# KiCad board oresat-batteries.kicad_pcb (continued)
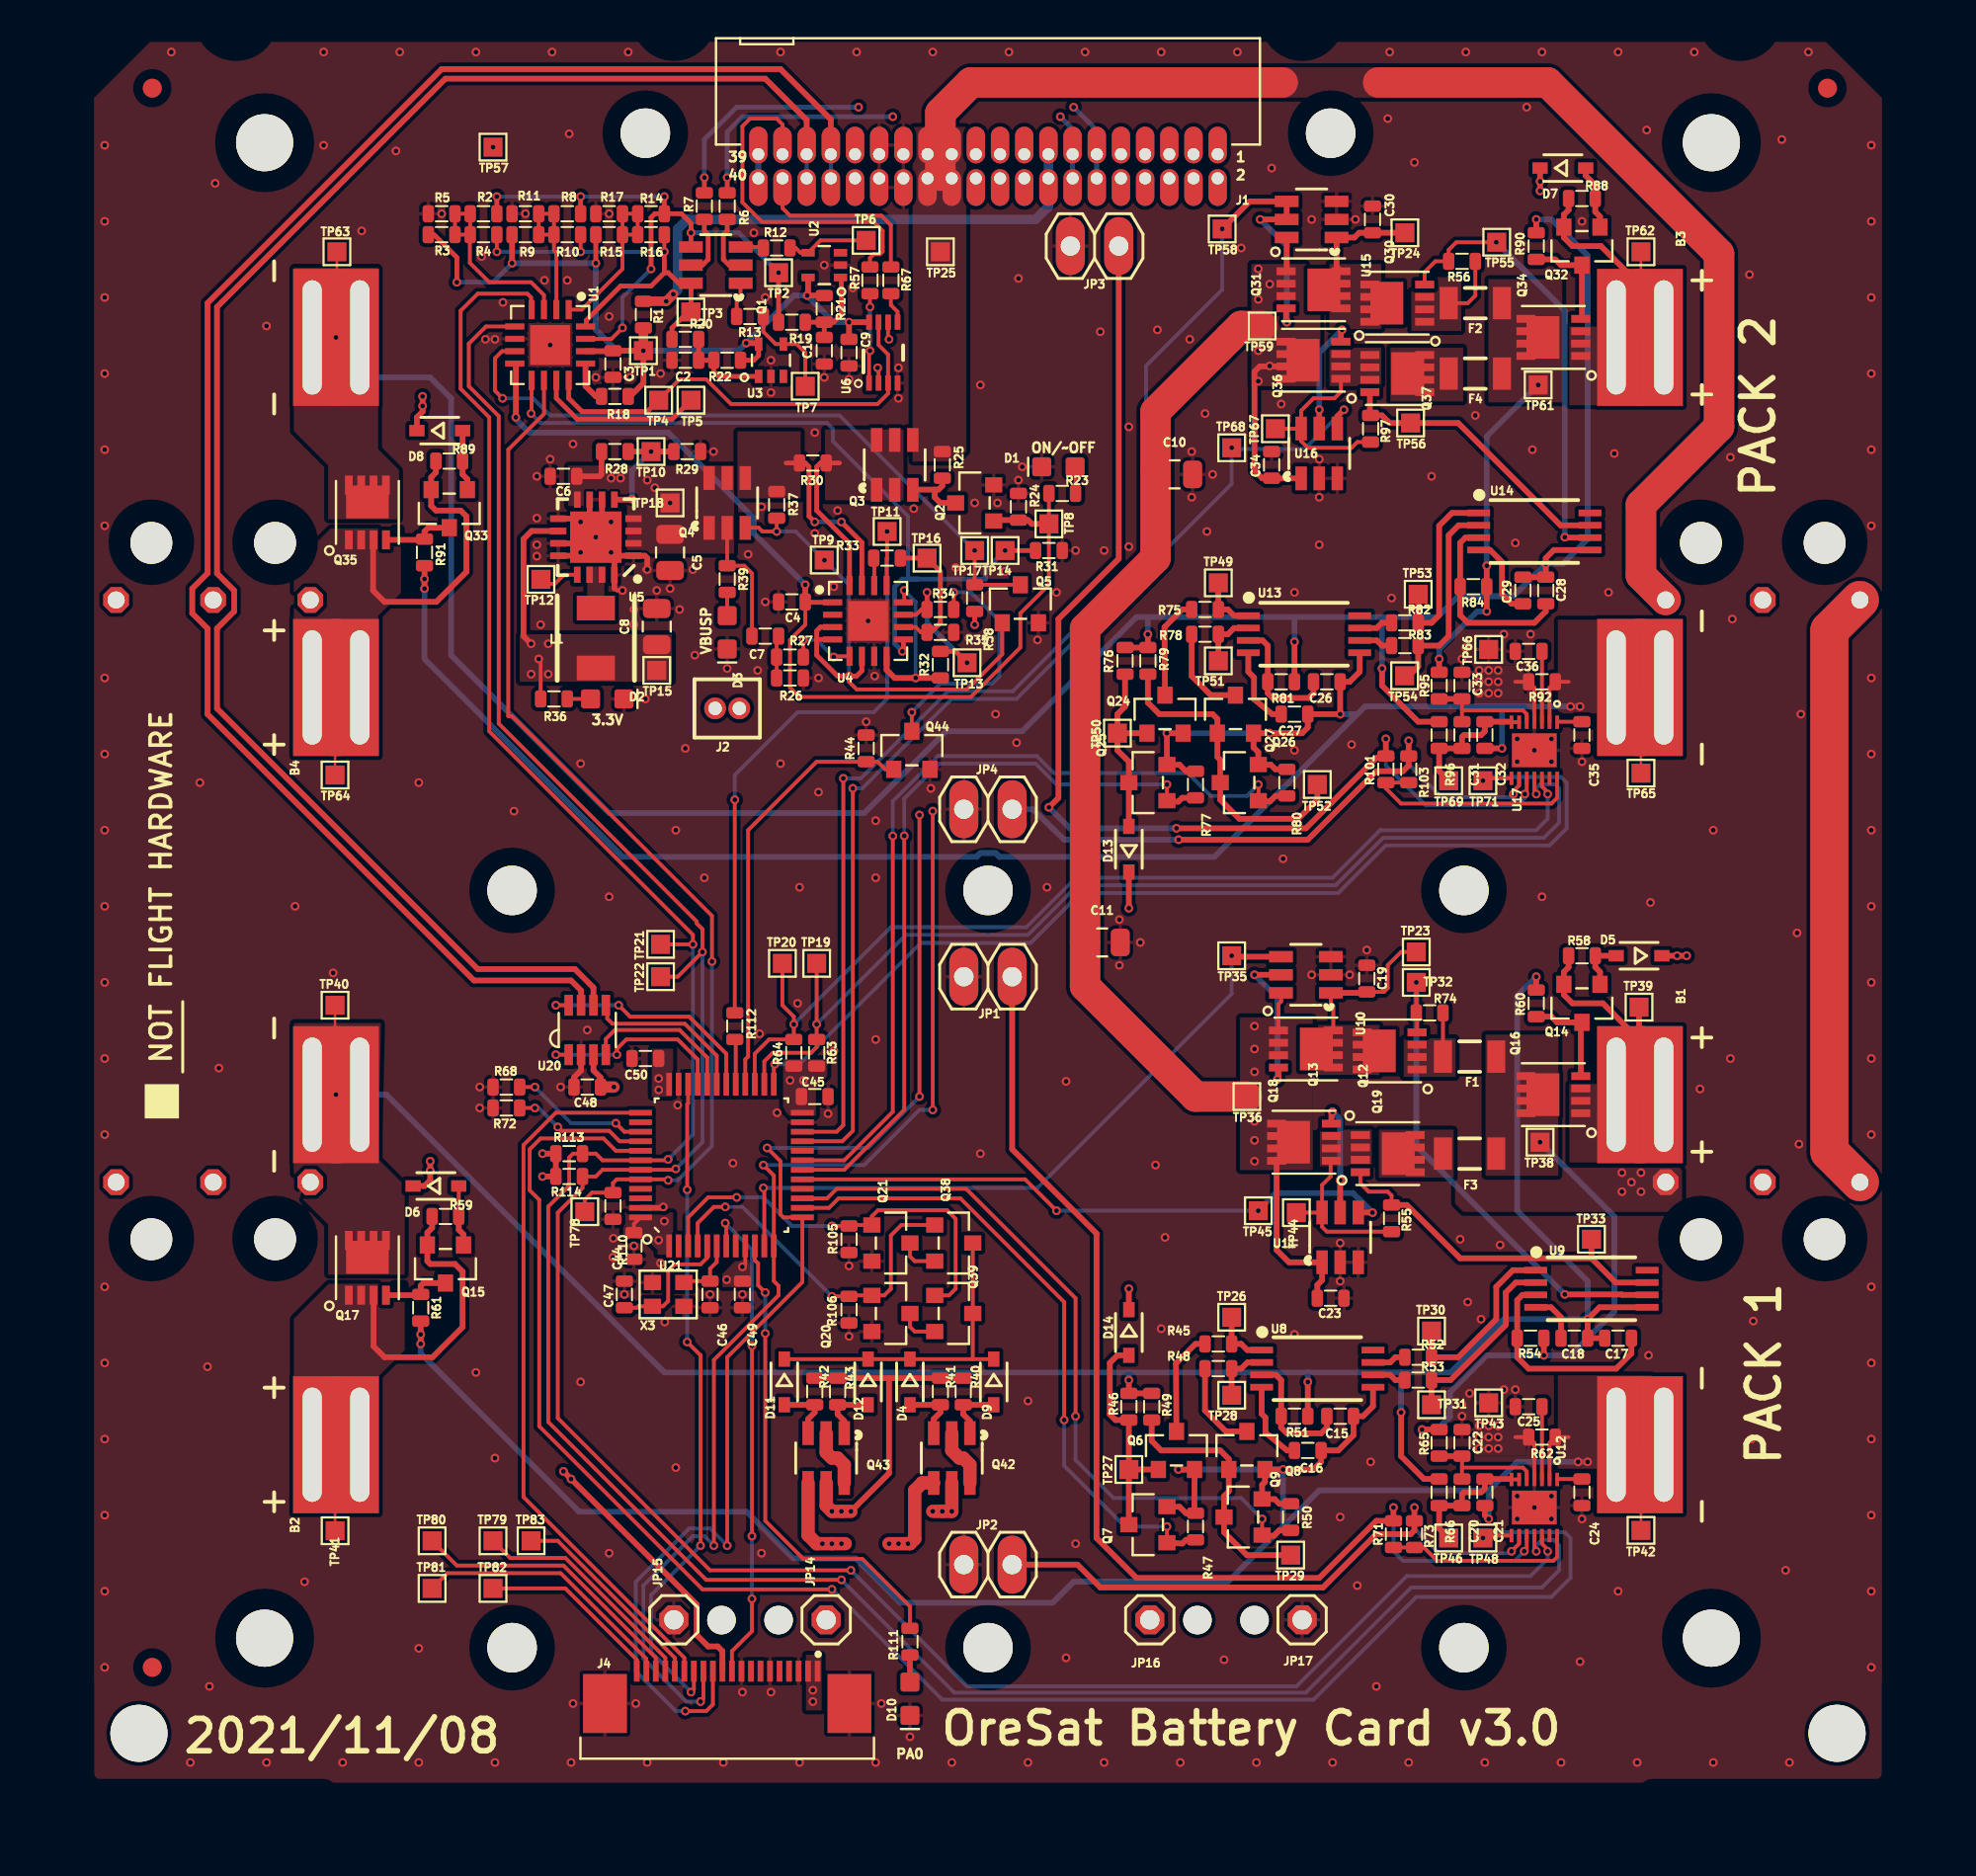
[diagram p0: board, top side]
## Routing (per net, layer and track width the routed paths; a pad name or vN(x,y) marks a point on that pad's centre or on a via; arc(x,y) is an arc through that point) (continued)
DISCHARGE-DISABLE-PK1: length 39
  Top w0.2: Q9.1 v1(64.3,16.77) ; U21.15 41.45,33.62 41.95,34.12 48.75,34.12 54.5,28.37 v1(54.5,22.17)
  Top w0.3: R50.2 65.2,16.17 64.91,15.88 Q9.1
  Bottom w0.2: v1(64.3,16.77) 63.2,17.87 56.5,17.87 54.5,19.87 v1(54.5,22.17)
DISCHARGE-DISABLE-PK2: length 45.9
  Top w0.2: U21.19 42.35,35.62 44.9,38.17 v1(44.9,52.66) ; v1(64.1,55.37) 64.12,55.35 Q27.1
  Top w0.3: Q27.1 64.71,54.48 65,54.77 R80.2
  Bottom w0.2: v1(44.9,52.66) 44.9,54.49 47.27,56.87 52.46,56.87 53.36,55.97 60.4,55.97 61.6,54.77 63.5,54.77 v1(64.1,55.37)
I2C2_SCL: length 56.4
  Top w0.2: U21.26 38.15,40.82 38.6,41.27 40.6,41.27 40.9,41.57 R63.1 v1(40.9,42.77) TP19.1 ; U17.11 78.6,55.07 78.7,54.97 v1(78.7,54.87)
  Bottom w0.2: v1(78.7,54.87) 78.7,55.17 78.9,55.37 79.7,55.37 79.9,55.17 79.9,53.37 79.1,52.57 70.66,52.57 68.16,50.07 54.6,50.07 52,47.47 45.6,47.47 v1(40.9,42.77)
I2C2_SDA: length 54.5
  Top w0.2: U21.27 37.65,41.22 38.4,41.97 R64.1 v1(39.7,42.77) 39.7,43.17 39.1,43.77 TP20.1 ; v1(79.3,54.87) 79.3,54.97 79,55.27 U17.12
  Bottom w0.2: v1(39.7,42.77) 44.8,47.87 51.92,47.87 54.52,50.47 68,50.47 70.5,52.97 78.7,52.97 79.3,53.57 v1(79.3,54.87)
MOARPWR: length 22.7
  Top w0.2: Q44.1 44.5,56.17 44.1,56.57 R44.2 40.9,56.57 37.3,52.97 37.3,41.07 37.15,40.92 U21.28
OPD_PWR: length 28.5
  Top w0.5: v1(33.37,81.14) 33.37,81.14 v1(33,80.77) R1.1
  Bottom w0.5: v1(33,80.77) 33.59,81.36 33.59,84.56 34.1,85.07 52.4,85.07 53.07,85.74 J1.16 J1.15
OPD_SCL: length 24.5
  Top w0.25: R6.1 v1(36.2,87.27)
  In2.Cu w0.25: v1(53.7,90.47) v1(44.9,90.47)
  Bottom w0.25: v1(36.2,87.27) 36.2,89.67 37,90.47 v1(44.9,90.47) ; J1.14 J1.13 54.34,89.82 v1(53.7,90.47)
OPD_SDA: length 27.1
  Top w0.25: R7.1 v1(35,87.27)
  In2.Cu w0.25: v1(54.4,90.97) v1(43.1,90.97)
  Bottom w0.25: v1(43.1,90.97) 36.7,90.97 35,89.27 v1(35,87.27) ; v1(54.4,90.97) 55.61,89.75 J1.11 J1.12
PA2/USART2_TX: length 91.3
  Top w0.2: v1(44.7,78.77) 44.65,78.82 U6.6 ; v1(35.5,15.37) 35.5,25.12 38.9,28.52 38.9,29.02 38.65,29.27 U21.12 38.65,34.82 v1(38.1,35.37) ; v1(34.8,7.17) 34.95,7.32 J4.13 ; v1(47,38.27) v1(47,53.97)
  In2.Cu w0.2: v1(44.7,78.77) 46.5,76.97 46.5,70.77 48,69.27 48,67.67 49,66.67 49,65.53 50.23,64.3 50.23,60.63 47.5,57.9 47.5,54.97 47,54.47 v1(47,53.97)
  Bottom w0.2: v1(47,38.27) 46.3,38.27 43.4,35.37 v1(38.1,35.37) ; v1(35.5,15.37) 35,15.87 34.4,15.87 31.8,13.27 31.8,9.42 34.05,7.17 v1(34.8,7.17)
PA3/USART2_RX: length 94.7
  Top w0.2: v1(36.2,15.37) 36.2,25.27 40.15,29.22 U21.13 39.15,32.62 39,32.77 39,35.57 v1(38.3,36.27) ; v1(44.1,77.27) 44.1,77.27 44.15,77.22 U6.2 ; v1(46.3,38.97) v1(46.3,53.77) ; v1(34,6.67) 35.1,6.67 35.45,7.02 J4.12
  In2.Cu w0.2: v1(46.3,53.77) 46.3,57.37 49.8,60.87 49.8,64.07 49.5,64.37 48.3,64.37 47.6,65.07 47.6,69.11 46.1,70.61 46.1,75.57 44.4,77.27 v1(44.1,77.27)
  Bottom w0.2: v1(38.3,36.27) 43.6,36.27 v1(46.3,38.97) ; v1(36.2,15.37) 35.3,16.27 34.2,16.27 31.4,13.47 31.4,8.77 33.5,6.67 v1(34,6.67)
PB6/SCL: length 142.1
  Top w0.2: TP21.1 v1(34.4,46.97) 34.4,47.47 23.7,58.17 23.7,74.67 22.2,76.17 22.2,80.27 23.1,81.17 25.7,81.17 25.9,80.97 25.9,80.33 U1.4 ; v1(78.7,15.07) 78.6,15.17 U12.11 ; v1(33.1,35.67) 33.05,35.62 U21.42 29.65,35.62 29.3,35.97 R113.1 28.1,35.97 27.9,35.77 27.9,34.28 26.8,33.18 26.8,21.87 35.1,13.57 v1(42.2,13.57)
  Bottom w0.2: v1(42.2,13.57) 48.13,7.64 66.6,7.64 72.13,13.17 79,13.17 79.9,14.07 79.9,15.37 79.6,15.67 79,15.67 78.7,15.37 v1(78.7,15.07) ; v1(34.4,46.97) 34.4,36.97 v1(33.1,35.67)
PB7/SDA: length 134.8
  Top w0.2: U1.5 23.53,79.44 22.63,78.54 22.63,76.3 24.2,74.73 24.2,58.57 34.6,48.17 34.6,48.07 34.9,47.77 v1(34.9,46.57) 33.6,45.27 TP22.1 ; v1(33.5,35.17) 33.45,35.12 U21.43 29.65,35.12 29.3,34.77 R114.1 28.6,34.17 27.3,32.87 27.3,22.07 35.3,14.07 v1(42.7,14.07) ; U12.12 79,15.47 79.3,15.17 v1(79.3,15.07)
  Bottom w0.2: v1(42.7,14.07) 48.8,7.97 66.1,7.97 71.9,13.77 78.4,13.77 79.3,14.67 v1(79.3,15.07) ; v1(34.9,46.57) 34.9,36.57 v1(33.5,35.17)
POUT: length 33.8
  Top w0.2: v1(44.6,68.67) 44.6,67.27 44.57,67.24 U4.13 ; R112.1 v1(36.6,54.57)
  Bottom w0.2: v1(36.6,54.57) 36.6,55.87 39.9,59.17 43.9,59.17 44.6,59.87 v1(44.6,68.67)
VPD: length 85.8
  Top w0.2: R3.2 20.8,84.27
  Top w0.25: 40.45,81.12 v1(40.4,81.07) ; v1(49.2,63.77) R38.2 ; v1(22,81.77) 22,83.07 20.8,84.27 ; 37.8,78.57 U3.5 37.85,77.92 37.6,77.67 R22.2 ; v1(29.3,82.77) R15.2 ; 30.17,78.14 C3.2
  Top w0.3: R18.2 31.1,75.77 31.8,76.47 TP1.1 v1(31.79,78.17) C3.2 ; C9.2 v1(42.6,79.67) U6.8 ; R21.2 v1(40.4,81.07) ; 37.8,78.57 v1(37.2,78.57) ; R9.2 v1(24.9,82.77) ; U2.5 40.45,81.12 ; U1.14 30.17,78.14
  Top w0.5: R1.2 TP1.1
  In2.Cu w0.5: 42.9,65.86 41.01,63.97 37.7,63.97 36.83,63.1 J2.2 ; 42.9,65.86 42.9,73.62 41.26,75.27 36.6,75.27 33.7,78.17 TP1.1 ; 42.9,65.86 45,63.77 v1(49.2,63.77)
  Bottom w0.25: v1(24.9,82.77) 23.9,81.77 v1(22,81.77)
  Bottom w0.3: v1(42.6,79.67) 41.8,79.67 v1(40.4,81.07) 39.7,81.07 v1(37.2,78.57) 36.8,78.17 TP1.1 ; v1(24.9,82.77) v1(29.3,82.77) 29.3,79.27 30.4,78.17 v1(31.79,78.17)
~{SD}: length 303.8
  Top w0.3: D14.C v1(57.3,28.87) ; D8.C 19.9,74.67 20.2,74.97 v1(20.2,75.77) ; D6.C 20.3,34.27 20.6,34.57 v1(20.6,35.07) v1(20.6,35.57) ; D5.C v1(86.1,46.37) v1(86.6,46.37) ; D7.C v1(78.9,87.07) v1(78.9,86.57) ; v1(57.3,48.87) D13.C
  In2.Cu w0.3: 87.9,46.37 87.9,34.77 85.9,32.77 74.4,32.77 69,27.37 66.1,27.37 64.6,28.87 v1(57.3,28.87) ; 87.9,46.37 v1(86.1,46.37) 74.4,46.37 71.9,48.87 v1(57.3,48.87) ; 87.9,46.37 88.5,46.37 90.9,48.77 90.9,63.07 92.1,64.27 92.1,65.67 90.9,66.87 90.9,82.47 81.1,92.27 78.9,92.27 ; v1(78.9,86.57) v1(78.9,87.07) 78.9,92.27 ; 24,87.37 23.9,87.47 v1(23.9,88.87) ; 24,87.37 34.1,87.37 35.23,88.5 J1.39 ; 24,87.37 20.2,87.37 ; 20.6,36.17 19.11,36.17 16.61,33.67 16.2,33.27 13.7,33.27 12.5,34.47 SW2.NO ; 20.6,36.17 20.6,44.27 9.2,55.67 9.2,63.37 10.3,64.47 10.3,65.07 ; 20.6,36.17 v1(20.6,35.07) ; J1.39 37.83,89.9 40.2,92.27 78.9,92.27 ; J1.39 J1.40 ; 10.3,65.07 SW1.NO ; 10.3,65.07 10.3,65.57 9.2,66.67 9.2,79.77 16.8,87.37 20.2,87.37 ; 20.2,87.37 v1(20.2,75.77) v1(20.2,75.27)
  Bottom w0.3: J1.39 J1.40
Net-(B1-PadPOS-T): length 11.6
  Top w0.127: 84.15,41.97 84.1,41.97 84.1,42.37
  Top w0.3: R58.2 80.4,45.77 80.15,45.52 Q14.2 80.15,44.32 80.6,43.87 82.2,43.87 83.7,42.37 84.1,42.37 TP39.1 ; 84.15,39.07 84.15,41.97
Net-(B2-PadPOS-T): length 20.2
  Top w0.127: 15.6,20.72 15.6,16.27
  Top w0.2: 15.65,20.67 15.6,20.72
  Top w0.3: Q17.3 17.62,25.84 18.2,25.27 20.72,25.27 22.3,26.85 22.3,29.77 21.9,30.17 20.6,30.17 20.45,30.32 Q15.2 20.45,31.82 20.7,32.07 R59.1
Net-(B3-PadPOS-T): length 11.6
  Top w0.127: 84.15,78.87 84.2,78.92 TP62.1
  Top w0.3: 84.1,81.67 82.1,83.67 80.6,83.67 80.15,84.12 Q32.2 80.15,85.32 80.4,85.57 R88.2
Net-(B4-PadPOS-T): length 20.5
  Top w0.127: TP64.1 15.6,60.42 15.65,60.47
  Top w0.3: Q35.3 17.6,68.2 17.6,65.57 18.2,64.97 20.92,64.97 22.5,66.55 22.5,69.47 22.2,69.77 20.9,69.77 20.65,70.02 Q33.2 20.65,71.52 20.9,71.77 R89.1
Net-(C1-Pad1): length 4.8
  Top w0.25: R21.1 R19.1 ; R21.1 41.8,79.67 42.2,80.07 42.2,81.97 U2.1 ; R21.1 C1.1
Net-(C2-Pad1): length 5
  Top w0.25: R20.1 C2.1 R22.1 35.5,77.07 35.75,76.82 U3.1
Net-(C7-Pad1): length 2.2
  Top w0.2: C7.1 38.8,63.07 R27.2 R26.2
Net-(C15-Pad1): length 6.9
  Top w0.3: C15.1 67.7,21.57 67.4,21.27 65.6,21.27 65.3,21.57 R51.1 65.3,24.07 65.02,24.34 U8.3
Net-(C16-Pad1): length 4.3
  Top w0.3: C16.1 65.61,20.37 64.47,21.3 64.47,22.09 64.27,22.29 U8.4
Net-(C17-Pad1): length 11.5
  Top w0.3: C17.1 83.7,25.47 82.9,24.67 78.3,24.67 77.7,25.27 R54.2 77.7,28.27 77.97,28.54 U9.3
Net-(C18-Pad1): length 2.6
  Top w0.3: C18.1 80,27.37 79.47,27.89 U9.4
Net-(C19-Pad1): length 8.2
  Top w0.2: C19.1 70.7,44.47 70.9,44.67 70.9,45.87 71.6,46.57 72.5,46.57 ; U10.1 67.91,43.86 68.04,43.73 Q13.5
  Top w0.3: C19.1 69.75,44.42 U10.1
Net-(C20-Pad1): length 6.3
  Top w0.2: 74.8,19.47 78,19.47 78.2,19.27 U12.5 ; 74.8,19.47 C20.1 ; 74.8,19.47 C22.1
  Top w0.3: 74.8,19.97 74.7,20.07 R65.1
Net-(C20-Pad2): length 7.3
  Top w0.2: U12.6 U12.7 77.37,18.87
  Top w0.3: TP46.1 73.6,16.27 R66.2 C20.2 74.8,18.07 74.9,18.17 75.8,18.17 76,18.37 C21.1 77.37,18.87
Net-(C24-Pad1): length 1.3
  Top w0.2: U12.1 79.82,18.87 C24.1
Net-(C25-Pad1): length 3.8
  Top w0.2: C25.1 U12.3
Net-(C26-Pad1): length 6.8
  Top w0.3: C26.1 67,60.17 66.75,59.92 64.85,59.92 64.6,60.17 R81.1 64.6,62.67 64.32,62.94 U13.3
Net-(C27-Pad1): length 4.3
  Top w0.3: U13.4 63.57,61.29 63.87,60.99 63.87,59.85 64.83,59.07 C27.1
Net-(C28-Pad1): length 10.2
  Top w0.3: U14.3 74.97,68.34 74.7,68.07 R84.2 74.7,64.27 75.1,63.87 78.6,63.87 79.2,64.47 C28.1
Net-(C29-Pad1): length 4.5
  Top w0.3: C29.1 77.4,64.87 76.9,65.37 76.9,67.07 76.27,67.69 U14.4
Net-(C30-Pad1): length 5.6
  Top w0.3: TP24.1 C30.1 69.4,84.37 69.15,84.12 U15.1 68.21,82.57 Q31.5
Net-(C31-Pad1): length 6.3
  Top w0.2: C33.1 74.8,59.27 ; 74.8,59.27 C31.1 ; 74.8,59.27 78,59.27 78.2,59.07 U17.5
  Top w0.3: 74.8,59.77 74.7,59.87 R95.1
Net-(C31-Pad2): length 7.3
  Top w0.2: U17.6 U17.7 77.37,58.67
  Top w0.3: TP69.1 73.6,56.07 R96.2 C31.2 74.8,57.87 74.9,57.97 75.8,57.97 76,58.17 C32.1 77.37,58.67
Net-(C35-Pad1): length 1.3
  Top w0.2: C35.1 79.82,58.67 U17.1
Net-(C36-Pad1): length 3.7
  Top w0.2: C36.1 U17.3
Net-(C46-Pad1): length 3.4
  Top w0.2: U21.6 35.65,30.27 35.3,29.92 C46.1 34,29.27 X3.3
Net-(C47-Pad1): length 7
  Top w0.2: U21.5 35.15,30.5 34.8,30.15 33.43,30.15 33.1,29.82 33.1,28.22 32.82,27.94 X3.1 31.52,27.94 31.45,27.87 C47.1
Net-(D1-PadA): length 1.4
  Top w0.2: R23.1 54.5,72.04 D1.A
Net-(D2-PadA): length 1.2
  Top w0.2: D2.A R36.1
Net-(D3-PadA): length 1.2
  Top w0.2: D3.A R39.1
Net-(D4-PadA): length 3.2
  Top w0.3: D4.A R41.2 47.4,22.37 47.05,22.02 47.05,21.27
Net-(D5-PadA): length 2.7
  Top w0.3: D5.A R58.1 81.8,45.77 82.05,45.52 Q14.1
Net-(D6-PadA): length 3.2
  Top w0.2: R59.2 D6.A
  Top w0.3: R59.2 22.1,31.97 22.35,31.72 Q15.1
Net-(D7-PadA): length 3.4
  Top w0.3: Q32.1 82.05,85.22 81.8,85.47 R88.1 81.8,86.87 81.3,87.37 D7.A
Net-(D8-PadA): length 3.2
  Top w0.3: Q33.1 22.55,71.42 22.3,71.67 R89.2 D8.A
Net-(D9-PadA): length 3.2
  Top w0.3: D9.A R40.2 48.6,22.27 48.95,21.92 48.95,21.27
Net-(D10-PadA): length 1.4
  Top w0.3: R111.1 D10.A
Net-(D11-PadA): length 3.2
  Top w0.3: 40.45,21.27 40.45,22.02 40.8,22.37 R42.2 D11.A
Net-(D11-PadC): length 17.1
  Top w0.2: 49.1,25.17 D4.C D12.C D11.C ; 49.1,25.17 Q39.3 Q38.3 ; 49.1,25.17 D9.C
Net-(D12-PadA): length 3.2
  Top w0.3: 42.35,21.27 42.35,21.92 42,22.27 R43.2 D12.A
Net-(D13-PadA): length 10
  Top w0.3: TP50.1 56.7,59.07 57.1,59.47 R76.1 ; TP50.1 Q24.1 ; TP50.1 56.7,57.17 57.3,56.57 Q25.3 D13.A
Net-(D14-PadA): length 12
  Top w0.3: TP27.1 Q6.1 ; TP27.1 R46.1 56.6,21.97 56.3,22.27 56.3,24.97 56.7,25.37 D14.A ; TP27.1 Q7.3
Net-(F1-Pad1): length 2.3
  Top w0.2: R74.1 F1.1
Net-(F2-Pad1): length 3.4
  Top w0.2: R56.2 75.5,81.07 75.1,80.67 F2.1
Net-(J4-Pad16): length 10.8
  Top w0.2: TP83.1 27.3,15.62 33.45,9.47 J4.16
Net-(J4-Pad17): length 12.3
  Top w0.2: TP79.1 24.8,14.72 27.7,14.72 32.95,9.47 J4.17
Net-(J4-Pad18): length 15
  Top w0.2: TP80.1 22,14.32 27.6,14.32 32.45,9.47 J4.18
Net-(J4-Pad19): length 14.1
  Top w0.2: J4.19 31.95,9.42 27.45,13.92 21.5,13.92 TP81.1
Net-(J4-Pad20): length 9.7
  Top w0.2: TP82.1 27.7,13.12 31.45,9.37 J4.20
Net-(JP1-Pad1): length 60.3
  Top w0.2: U12.10 78.2,15.07 78.13,15 v1(78.07,15.07)
  Top w0.3: v1(71.2,17.37) R71.1 70.3,16.67 67.3,13.67 57.7,13.67 55.6,15.77 55.6,31.77 51.17,36.2 JP1.1
  Bottom w0.2: v1(78.07,15.07) 77.56,14.57 71.7,14.57 71.2,15.07 v1(71.2,17.37)
Net-(JP2-Pad1): length 31.8
  Top w0.2: U12.9 77.8,15.47 v1(77.4,15.07)
  Top w0.3: JP2.1 54.6,14.37 55.8,13.17 67.5,13.17 70.3,15.97 72.1,15.97 72.3,16.17 R73.1 v1(72.3,17.37)
  Bottom w0.2: v1(72.3,17.37) 72.3,16.27 73.6,14.97 77.3,14.97 v1(77.4,15.07)
Net-(JP3-Pad1): length 63.1
  Top w0.2: v1(78.1,54.87) 78.2,54.97 U17.10
  Top w0.3: v1(53.1,54.17) 53.6,54.67 53.6,64.07 56.77,67.24 JP3.1 ; v1(70.8,57.77) R101.1 71,56.87 71.1,56.77 70.3,56.77 66.6,53.07 v1(59.8,53.07)
  Bottom w0.2: v1(78.1,54.87) 78.1,54.67 77.7,54.27 72.9,54.27 70.8,56.37 v1(70.8,57.77)
  Bottom w0.3: v1(53.1,54.17) 54.2,53.07 v1(59.8,53.07)
Net-(JP4-Pad1): length 32.9
  Top w0.2: U17.9 77.8,55.32 77.5,55.02 v1(77.5,54.87)
  Top w0.3: v1(72,57.67) R103.1 72,56.37 71.7,56.07 70.3,56.07 66.7,52.47 v1(59.91,52.47)
  Bottom w0.2: v1(72,57.67) 72,56.43 73.73,54.69 77.33,54.69 v1(77.5,54.87)
  Bottom w0.3: JP4.1 52.25,54.07 53.91,52.47 v1(59.91,52.47)
Net-(JP14-Pad1): length 40.9
  Top w0.2: v1(42.2,15.47) v1(41.7,15.47) v1(41.2,15.47) ; v1(45.7,15.47) v1(44.7,15.47) v1(45.2,15.47)
  Top w0.7: 40.45,18.67 40.45,15.92 40.9,15.47 v1(41.7,15.47) 42.4,15.47 ; 47.05,18.67 46.45,18.67 46.05,18.27 46.05,15.72 45.8,15.47 v1(44.7,15.47)
  In2.Cu w1: v1(41.2,15.47) 43.9,15.47 44,15.37 ; JP14.1 44,11.47 44,11.57 ; 44,11.57 47.49,8.07 51.4,8.07 54.79,11.47 JP16.1 ; 44,11.57 44,15.37 ; 44,15.37 44,15.47 v1(45.7,15.47)
Net-(Q1-Pad1): length 1.8
  Top w0.2: 36.9,81.72 36.9,81.07 36.7,80.87 R13.2
Net-(Q1-Pad2): length 3.2
  Top w0.25: 36.9,82.67 36.3,82.67 36,82.97 36,84.27 36.2,84.47 R6.2
Net-(Q1-Pad3): length 1.2
  Top w0.2: 36.9,83.62 38.05,83.62 R12.2
Net-(Q1-Pad5): length 3.2
  Top w0.25: R7.2 35,84.47 35.2,84.27 35.2,82.97 34.9,82.67 34.3,82.67
Net-(Q2-Pad3): length 3.7
  Top w0.3: Q2.3 47.4,70.17 47.1,70.47 47.1,70.87 ; 47.1,70.87 45.95,70.87 ; 47.1,70.87 47.3,70.87 47.5,71.07 R25.1
Net-(Q3-Pad1): length 8.2
  Top w0.25: U4.16 42.62,68.04 40.9,69.77 40.9,72.07 41.1,72.27 42.1,72.27
Net-(Q4-Pad4): length 9.5
  Top w0.25: v1(42.2,69.17) 43.27,68.09 U4.15 ; 39.3,72.27 40.3,72.27 40.5,72.07 40.5,69.47 v1(40.8,69.17)
  Bottom w0.25: v1(42.2,69.17) v1(40.8,69.17)
Net-(Q6-Pad3): length 5.5
  Top w0.3: R45.1 60.8,25.97 59.77,24.94 Q6.3
Net-(Q8-Pad1): length 13.5
  Top w0.3: TP29.1 63.5,14.87 62.3,16.07 Q9.3 62.3,17.97 62.55,18.22 Q8.1 62.55,19.92 62.1,20.37 59,20.37 58.5,20.87 R49.2
Net-(Q8-Pad3): length 4.9
  Top w0.3: R48.1 61.3,22.47 62.4,21.37 Q8.3
Net-(Q13-Pad4): length 8
  Top w0.3: v1(65.1,39.87) 65.16,39.93 Q13.4 ; v1(63.9,45.37) U10.5
  Bottom w0.3: v1(65.1,39.87) 65.1,44.17 v1(63.9,45.37)
Net-(Q14-Pad3): length 5.4
  Top w0.3: R60.1 79.5,43.17 79.8,42.87 Q14.3 81.04,42.81 Q16.4
Net-(Q15-Pad3): length 3.7
  Top w0.3: Q15.3 20.24,29.17 20.1,29.03 R61.1 20.1,28.53 Q17.4
Net-(Q18-Pad1): length 8.8
  Top w0.2: TP44.1 67.44,32.87 ; R55.2 67.7,31.87 67.45,32.12 U11.6 67.45,34.32 67.9,34.77 67.9,35.55 Q18.1
  Top w0.3: 67.44,32.87 U11.6
Net-(Q18-Pad4): length 6.1
  Top w0.3: v1(68.4,34.57) U11.5 ; v1(68,38.17) 67.94,38.11 Q18.4
  Bottom w0.3: v1(68,38.17) 68.4,37.77 v1(68.4,34.57)
Net-(Q20-Pad3): length 2.1
  Top w0.2: Q20.3 45.8,26.87 46.05,26.62 Q39.2
Net-(Q21-Pad3): length 2.1
  Top w0.2: Q38.2 46.05,30.32 45.8,30.57 Q21.3
Net-(Q24-Pad3): length 5.4
  Top w0.3: Q24.3 59.17,63.64 60.1,64.57 R75.1
Net-(Q26-Pad1): length 16.5
  Top w0.3: TP52.1 67.2,54.57 66.2,53.57 63.1,53.57 62.1,54.57 Q27.3 62.1,56.67 61.95,56.82 Q26.1 61.95,58.82 61.7,59.07 58.9,59.07 58.3,59.67 R79.2
Net-(Q26-Pad3): length 4.9
  Top w0.3: Q26.3 61.6,60.07 60.6,61.07 R78.1
Net-(Q32-Pad3): length 5.4
  Top w0.3: R90.1 79.7,82.97 80,82.67 Q32.3 81.1,79.9 Q34.4
Net-(Q33-Pad3): length 3.8
  Top w0.3: Q35.4 20.3,68.23 R91.1 20.3,68.67 20.5,68.87 Q33.3
Net-(Q36-Pad1): length 10.1
  Top w0.2: TP67.1 66.34,74.07 ; R97.2 69.3,73.37 69,73.07 66.7,73.07 66.35,73.42 U16.6 66.35,75.02 67,75.67 68.1,75.67 68.44,76.01 Q36.1
  Top w0.3: 66.34,74.07 U16.6
Net-(Q36-Pad4): length 6.3
  Top w0.3: U16.5 v1(67.3,75.07) ; Q36.4 68.44,79.21 v1(68.5,79.27)
  Bottom w0.3: v1(68.5,79.27) 67.3,78.07 v1(67.3,75.07)
Net-(Q42-Pad2): length 3.1
  Top w0.7: 48.95,18.67 48.95,19.62 48.6,19.97 48.4,19.97 48,20.37 48,21.27
Net-(Q43-Pad2): length 3.2
  Top w0.7: 41.4,21.27 41.4,20.27 41.7,19.97 42,19.97 42.35,19.62 42.35,18.67
Net-(Q44-Pad3): length 13.2
  Top w0.2: R34.1 v1(48.1,65.47) ; v1(45.9,59.17) Q44.3
  Bottom w0.2: v1(48.1,65.47) 49,65.47 50.5,63.97 50.5,61.07 50.1,60.67 47.4,60.67 v1(45.9,59.17)
Net-(R12-Pad1): length 4.4
  Top w0.2: R12.1 39.8,83.57 40.05,83.32 U2.4 41.1,83.97 TP6.1
Net-(R13-Pad1): length 5.2
  Top w0.2: R13.1 38.1,79.17 38.75,78.52 U3.4 39.85,78.52 40.3,78.07 40.3,76.37
Net-(R18-Pad1): length 2.2
  Top w0.3: R18.1 29.3,75.77 28.76,76.31 U1.13
Net-(R27-Pad1): length 3.7
  Top w0.2: U4.5 41.84,62.11 v1(41.8,62.07) ; v1(40.2,62.97) R27.1
  Bottom w0.2: v1(41.8,62.07) 40.9,62.97 v1(40.2,62.97)
Net-(R28-Pad1): length 6.2
  Top w0.2: 31.17,70.34 v1(31.2,70.37)
  Top w0.3: R28.1 v1(32.2,72.87) R29.2 ; U5.5 31.17,70.34
  Bottom w0.3: v1(31.2,70.37) 31.2,71.87 v1(32.2,72.87)
Net-(R32-Pad1): length 8.5
  Top w0.2: R34.2 46.4,64.57 46.12,64.29 U4.11
  Top w0.25: R32.1 48.2,62.37 v1(48.8,61.77) ; v1(46.7,65.47) R34.2
  Bottom w0.25: v1(48.8,61.77) 46.7,63.87 v1(46.7,65.47)
Net-(R32-Pad2): length 9.2
  Top w0.2: U4.12 45.5,64.94 v1(45.5,65.57)
  Top w0.3: R32.2 v1(46.1,60.97) 45,60.97 44.57,61.39 U4.8
  Bottom w0.2: v1(45.5,65.57) 46.1,64.97 v1(46.1,60.97)
Net-(R33-Pad1): length 7.4
  Top w0.2: U4.10 46.1,63.64 46.37,63.37 R35.2
  Top w0.25: R35.2 46.9,63.37 47.4,63.87 47.4,66.57 TP16.1 R33.1
Net-(R33-Pad2): length 1.5
  Top w0.2: R33.2 43.92,67.26 U4.14
Net-(R45-Pad2): length 3.1
  Top w0.3: U8.1 63.52,25.64 63.2,25.97 R45.2 TP26.1
Net-(R48-Pad2): length 3.1
  Top w0.3: U8.2 63.52,24.99 63.2,24.67 R48.2 TP28.1
Net-(R52-Pad1): length 1.8
  Top w0.3: R52.1 71.3,25.27 71.02,24.99 U8.7
Net-(R52-Pad2): length 9.7
  Top w0.3: U9.1 77.47,29.84 76.6,28.97 76.6,27.27 74.6,25.27 R52.2 73.2,26.57
Net-(R53-Pad1): length 1.8
  Top w0.3: U8.6 71.02,24.34 71.3,24.07 R53.1
Net-(R53-Pad2): length 9.9
  Top w0.3: U9.2 77.62,29.19 77.1,28.67 77.1,26.97 74.2,24.07 R53.2 TP31.1
Net-(R57-Pad1): length 4.7
  Top w0.2: U6.1 43.65,78.12 v1(43.7,78.17) ; R57.1 v1(43.7,80.47)
  Bottom w0.2: v1(43.7,78.17) v1(43.7,80.47)
Net-(R67-Pad1): length 1.6
  Top w0.2: R67.1 44.8,80.57 45.15,80.22 U6.5
Net-(R68-Pad1): length 7.3
  Top w0.2: v1(26.1,39.47) R68.1 ; v1(30.35,37.57) 30.8,37.12 U21.39
  Bottom w0.2: v1(26.1,39.47) 28,37.57 v1(30.35,37.57)
Net-(R71-Pad2): length 10.1
  Top w0.2: U12.14 79.8,14.77 79.6,14.57 73.5,14.57 72.8,15.27 R73.2 R71.2
Net-(R72-Pad1): length 7.1
  Top w0.2: U21.40 30.55,36.62 30,37.17 27.5,37.17 v1(27.3,37.37) ; v1(26.1,38.37) R72.1
  Bottom w0.2: v1(26.1,38.37) 26.3,38.37 v1(27.3,37.37)
Net-(R75-Pad2): length 3.1
  Top w0.3: TP49.1 R75.2 62.5,64.57 62.82,64.24 U13.1
Net-(R78-Pad2): length 3.1
  Top w0.3: TP51.1 R78.2 62.5,63.27 62.82,63.59 U13.2
Net-(R82-Pad1): length 1.8
  Top w0.3: R82.1 70.6,63.87 70.32,63.59 U13.7
Net-(R82-Pad2): length 9.8
  Top w0.3: U14.1 74.27,69.64 73.6,68.97 73.6,64.27 73.2,63.87 R82.2 TP53.1
Net-(R83-Pad1): length 1.8
  Top w0.3: R83.1 70.6,62.67 70.32,62.94 U13.6
Net-(R83-Pad2): length 10.7
  Top w0.3: 72,61.07 72.5,61.57 R83.2 73.6,62.67 74.1,63.17 74.1,68.47 74.62,68.99 U14.2
Net-(R101-Pad2): length 12
  Top w0.2: U17.14 79.8,54.67 79.5,54.37 71.6,54.37 70.8,55.17 R101.2 R103.2
Net-(SW3-PadNC): length 95.8
  Top w2: SW4.NC 94.1,63.47 94.1,36.07 SW3.NC
  In2.Cu w2: SW3.NC 94.1,36.07 94.1,63.47 SW4.NC
  Bottom w2: SW3.NC 94.1,36.07 94.1,63.47 SW4.NC
Net-(TP4-Pad1): length 23.4
  Top w0.2: TP4.1 33.7,76.67 35.1,76.67 36.4,75.37 44.1,75.37 44.65,75.92 U6.3 44.65,77.97 44.15,78.47 U6.7
  Top w0.25: TP4.1 32,74.97 28.57,74.97 27.87,75.67 U1.12
Net-(TP5-Pad1): length 8.9
  Top w0.25: TP5.1 33.3,74.57 28.32,74.57 27.22,75.67 U1.11
Net-(TP12-Pad1): length 1.7
  Top w0.2: U5.13 27.62,66.39 27.15,65.92 26.85,65.92

## Copper pours and planes (outline as drawn; the poured copper is in the pictures)
3.3V on Top: 33.3,60.77 25.3,60.77 25.3,63.27 33.3,63.27
3.3V on Top: 33.36,30.65 32.54,30.65 32.54,30.89 31.97,31.45 30.74,31.45 30.74,32.88 33.36,32.88
3.3V on Top: 37.56,28.95 35.94,28.95 35.94,29.64 36.67,30.38 37.56,30.38
3.3V on Top: 33.36,38.95 32.24,38.95 32.24,41.48 33.36,41.48
3.3V on Top: 41.46,40.04 40.86,39.44 40.86,37.95 39.47,37.95 39.14,38.29 39.14,40.93 41.46,40.93
3.3V on In2.Cu: 43.16,63.29 43.16,19.44 42.13,18.4 23.87,18.4 22.84,19.44 22.84,63.29 23.87,64.33 42.13,64.33
/Battery Pack 1 (BOTTOM)/VBATT-PK1 on Top: 79.86,34.8 76.04,34.8 76.04,42.23 79.86,42.23
/Battery Pack 2 (TOP)/VBATT-PK2 on Top: 80.06,75.45 76.19,75.45 76.19,81.93 80.06,81.93
GND on Top: 78.06,59.8 75.54,59.8 75.54,61.63 78.06,61.63
GND on Top: 78.16,20.1 75.54,20.1 75.54,22.03 78.16,22.03
GND on Top: 96.86,2.9 2.94,2.9 2.94,94.63 96.86,94.63
GND on Bottom: 96.86,2.9 2.94,2.9 2.94,94.63 96.86,94.63
GND on In1.Cu: 46.16,85.84 43.54,85.84 43.54,89.93 46.16,89.93
GND on In1.Cu: 96.86,2.9 2.94,2.9 2.94,94.63 96.86,94.63
GND on In2.Cu: 96.86,2.9 2.94,2.9 2.94,94.63 96.86,94.63
VBAT on Top: 76.16,35.23 86.23,35.23 86.36,35.09 86.36,32.9 74.87,32.9 74.44,33.34 74.44,37.2 64.44,37.2 64.44,40.03 76.16,40.03
VBAT on Top: 66.96,35.1 63.14,35.1 63.14,43.13 66.96,43.13
VBAT on Top: 67.36,76.3 63.74,76.3 63.74,82.73 67.36,82.73
VBAT on In2.Cu: 64.76,35.1 63.14,35.1 63.14,43.13 64.76,43.13
VBAT on In2.Cu: 65.36,76.3 63.74,76.3 63.74,82.73 65.36,82.73
VBUS on Top: 71.4,91.47 64.7,91.47 64.7,93.07 71.4,93.07
VBUS on Top: 48.76,72.88 48.23,72.34 45.94,72.34 45.94,89.93 48.76,89.93
VBUS on Bottom: 71.4,91.47 64.7,91.47 64.7,93.07 71.4,93.07
VBUS on Bottom: 48.76,85.84 45.94,85.84 45.94,89.93 48.76,89.93
VBUSP on Top: 36.56,67.5 30.94,67.5 30.94,70 27.84,70 27.84,72.13 36.56,72.13
VBUSP on Top: 41.16,6.7 40.34,6.7 40.34,9.63 41.16,9.63
/Battery Pack 1 (BOTTOM)/CSP-PK1 on Top: 84.76,24.31 84.76,19.4 79.84,19.4 79.84,24.33
/Battery Pack 1 (BOTTOM)/INTERCELL-PK1 on Top: 17.86,35.69 19.26,34.29 19.26,29.6 15.24,29.6 15.24,32.24 13.44,34.04 13.44,42.83 18.02,42.83
/Battery Pack 2 (TOP)/CSP-PK2 on Top: 84.76,64.03 84.76,59.1 79.84,59.1 79.84,64.03
/Battery Pack 2 (TOP)/INTERCELL-PK2 on Top: 17.86,72.99 18.96,71.89 18.96,69.3 15.24,69.3 15.24,72.14 13.44,73.94 13.44,82.53 17.86,82.53
Net-(B1-PadPOS-T) on Top: 84.66,35.5 80.44,35.5 80.44,39.63 84.66,39.63
Net-(B2-PadPOS-T) on Top: 19.26,25.64 17.86,24.24 17.86,17.2 13.57,17.2 13.44,17.34 13.44,27.29 15.27,29.13 19.26,29.13
Net-(B3-PadPOS-T) on Top: 84.96,75.3 80.44,75.3 80.44,79.43 82.24,79.43 82.24,82.43 84.96,82.43
Net-(B4-PadPOS-T) on Top: 19.06,65.44 17.86,64.24 17.86,57 13.44,57 13.44,66.89 15.37,68.83 19.06,68.83
Net-(C19-Pad1) on Top: 70.46,40.1 67.24,40.1 67.24,42.73 70.46,42.73
Net-(C30-Pad1) on Top: 70.56,79.3 67.84,79.3 67.84,82.73 70.56,82.73
Net-(F1-Pad1) on Top: 74.46,40 71.74,40 71.74,42.03 74.46,42.03
Net-(F2-Pad1) on Top: 74.76,79.2 72.14,79.2 72.14,82.03 74.76,82.03
Net-(F3-Pad1) on Top: 74.36,34.7 70.44,34.7 70.44,37.23 74.36,37.23
Net-(F4-Pad1) on Top: 74.86,75.5 71.04,75.5 71.04,78.33 74.86,78.33
Net-(L1-Pad1) on Top: 29.75,64.32 28.85,64.32 28.85,66.82 29.75,66.82
Net-(Q3-Pad1) on Top: 45.46,70.3 41.34,70.3 41.34,74.03 45.46,74.03
Net-(Q4-Pad4) on Top: 40.06,70.4 36.74,70.4 36.74,73.93 40.06,73.93
Net-(Q18-Pad1) on Top: 70.06,35.3 67.34,35.3 67.34,37.23 70.06,37.23
Net-(Q36-Pad1) on Top: 70.56,76.3 67.84,76.3 67.84,78.33 70.56,78.33

## Text on the board
F.Silkscreen: 3.3V | PA0 | ON/~OFF | VBUSP | 2021/11/08 | OreSat Battery Card v3.0 | PACK 2 | PACK 1
